# KiCad board smoothiev2-prime-2660.kicad_pcb (continued)
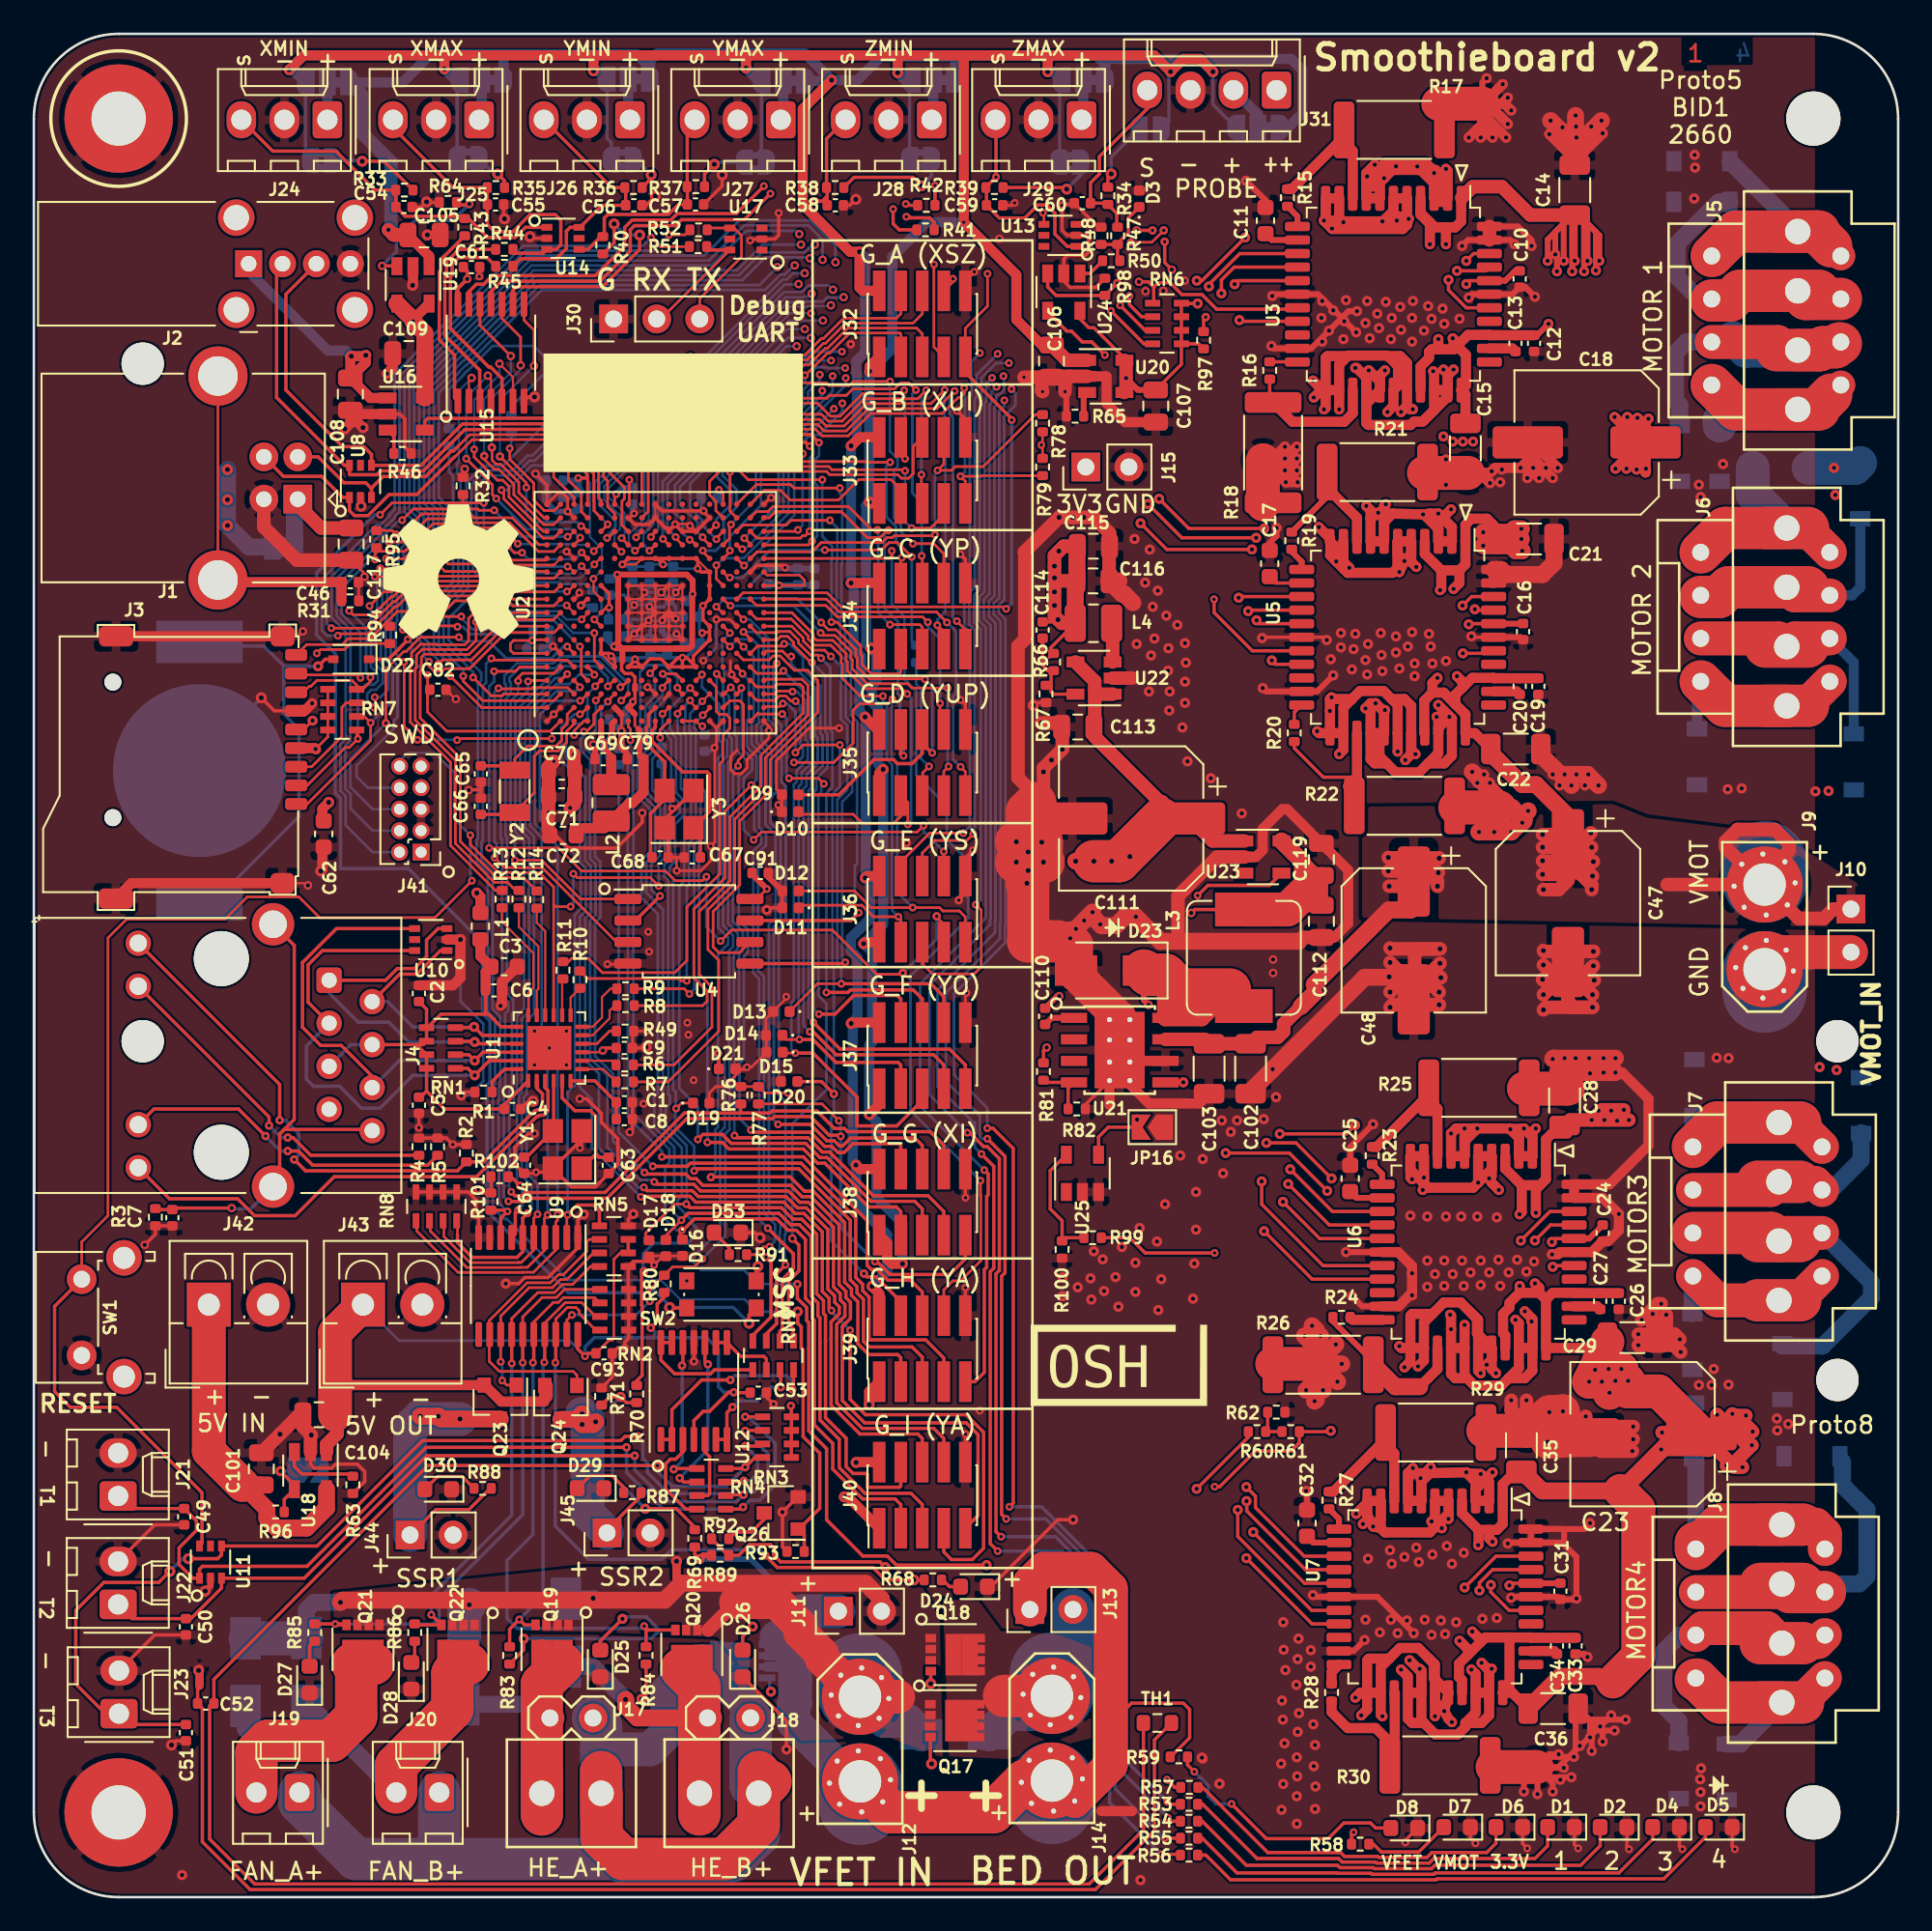
[diagram p0: board, top side]
## Routing (per net, layer and track width the routed paths; a pad name or vN(x,y) marks a point on that pad's centre or on a via; arc(x,y) is an arc through that point) (continued)
  Bottom w0.16: v3(43.41,38.4) 43.72,38.71 43.72,39.34 43.75,39.37 43.75,39.7 43.08,40.37 43.08,54.34 42.73,54.69 42.73,61.62 43.2,62.09 43.2,62.75 42.79,63.16 42.79,65.06 43.25,65.51 43.25,67.57 42.64,68.18 42.64,69.21 42.76,69.34 42.76,73.89 42.4,74.25 41.49,74.25 v3(41.07,73.83)
/PF15: length 42.9
  Top w0.16: U2.R9 v3(41.87,75.43)
  Top w0.2: J38.6 52.42,44.38 51.99,44.81 48.18,44.81 47.72,44.35 47.53,44.35 47.22,44.65 46.79,44.65 45.82,45.62 v3(43.91,45.62)
  Bottom w0.16: v3(41.87,75.43) 42.23,75.43 43.34,74.32 43.34,69.52 43.83,69.04 43.83,65.27 43.46,64.9 43.46,63.43 44.05,62.84 44.05,57.7 43.66,57.3 43.66,45.87 v3(43.91,45.62)
/PG0: length 32.6
  Top w0.16: U2.T8 42.64,74.66 43.88,74.66 43.94,74.72 44.6,74.72 45.11,74.21 45.11,74.04 45.82,73.33 46.27,73.33 v3(46.45,73.14)
  Top w0.2: J37.6 52.42,53.03 51.89,53.56 48.18,53.56 48.03,53.41 v3(46.76,53.41)
  Bottom w0.16: v3(46.76,53.41) 46.76,65.17 47.11,65.52 47.11,68.8 47,68.92 47,72.6 v3(46.45,73.14)
/PG1: length 36.5
  Top w0.16: D13.1 46.23,53.92 v3(47.64,53.92) ; v3(47.03,73.24) 46.66,73.62 45.94,73.62 45.4,74.16 45.4,74.33 44.71,75.03 U2.U8
  Top w0.2: v3(47.64,53.92) 52.93,53.92 53.69,53.16 J37.8
  Bottom w0.16: v3(47.64,53.92) 47.64,54.8 47.4,55.03 47.4,64.79 47.99,65.38 47.99,68.33 47.99,68.34 47.99,69.17 47.62,69.54 47.62,72.66 v3(47.03,73.24)
/PH2: length 41.3
  Top w0.16: U2.N2 39.87,70.18 v3(39.47,69.78)
  Top w0.2: J38.3 51.15,40.48 50.88,40.75 49.26,40.75 46.67,43.33 46.24,43.33 45.4,44.17 41.01,44.17 40.62,44.56 v3(39.74,44.56)
  Bottom w0.16: 39.52,69.73 v3(39.47,69.78) 38.97,69.28 38.97,69.01 39.05,68.93 39.05,65.82 39.63,65.24 39.63,62.4 39.24,62 39.24,60.04 39.25,60.03 39.25,53.98 39.74,53.49 v3(39.74,44.56)
/PH3: length 43.2
  Top w0.16: v3(41.55,66.79) 41.55,67.11 41.87,67.43 41.87,70.41 41.65,70.63 41.07,70.63 U2.P2
  Top w0.2: v3(41.34,44.96) 41.47,44.83 45.68,44.83 46.52,43.99 46.95,43.99 49.53,41.41 52.76,41.41 53.69,40.48 J38.7
  Bottom w0.16: v3(41.34,44.96) 41.34,49.32 41.6,49.59 41.6,55.65 41.83,55.87 41.83,57.02 41.25,57.6 41.25,66.49 v3(41.55,66.79)
/PH4: length 39.1
  Top w0.16: v3(41.12,71.42) 40.73,71.03 U2.P3
  Top w0.2: v3(42.31,45.29) 42.44,45.16 45.81,45.16 46.65,44.32 47.08,44.32 47.45,43.95 47.79,43.95 48.32,44.48 51.05,44.48 51.15,44.38 J38.4
  Bottom w0.16: v3(42.31,45.29) 41.63,45.97 41.63,49.2 41.89,49.47 41.89,55.53 42.12,55.75 42.12,57.14 41.59,57.67 41.59,66.17 42.08,66.67 42.08,67.09 41.47,67.71 41.47,68.5 41.35,68.62 41.35,71.19 v3(41.12,71.42)
/PH7: length 59.3
  Top w0.16: 50.63,79.19 50.63,79.47 v3(50.62,79.48) ; 50.63,79.19 50.47,79.03 U2.U13 ; 50.63,79.19 50.63,79.23 ; J39.8 53.69,35.85 54.22,36.38 54.68,36.38 55.87,37.57 55.87,41.42 55.85,41.44 v3(55.85,42.3)
  Bottom w0.16: v3(55.85,42.3) 51.72,46.43 51.72,54.38 55.13,57.79 55.13,58.98 54.97,59.14 54.97,61.33 53.87,62.43 53.87,64.43 52.06,66.24 52.06,71.2 51.37,71.89 51.37,75.58 50.62,76.33 v3(50.62,79.48)
/PI8: length 63.7
  Top w0.16: U2.E4 v3(33.12,71.48)
  Top w0.2: v3(35.99,41.9) 36.19,41.7 38.86,41.7 39.2,41.36 44.38,41.36 45.05,40.69 45.57,40.69 46.85,39.42 46.85,35.9 47.25,35.49 47.25,35.12 47.52,34.85 47.52,34.44 47.04,33.96 47.04,32.97 47.04,29.04 48.74,27.34 52.16,27.34 52.42,27.08 J40.6
  Bottom w0.16: v3(33.12,71.48) 32.67,71.03 32.67,69.64 32.3,69.27 31.88,69.27 31.41,68.8 31.41,67.23 32.53,66.11 32.53,61.19 32.85,60.87 32.85,58.1 32.53,57.78 32.53,49.42 33.34,48.61 33.34,44.23 35.67,41.9 v3(35.99,41.9)
/PI9: length 62.2
  Top w0.16: U2.E2 33.04,69.8 33.04,69.25 32.6,68.81 v3(32.45,68.81)
  Top w0.2: v3(36.6,42.23) 36.75,42.08 38.94,42.08 39.34,41.69 44.52,41.69 45.19,41.02 45.71,41.02 47.18,39.55 47.18,36.03 47.58,35.63 47.58,35.26 47.85,34.99 47.85,34.3 47.37,33.82 47.37,33.11 47.37,29.18 48.88,27.67 53.1,27.67 53.69,27.08 J40.8
  Bottom w0.16: v3(32.45,68.81) 32.45,68.58 32.26,68.38 32.26,67.7 32.82,67.14 32.82,61.31 33.14,60.99 33.14,57.98 32.82,57.66 32.82,49.54 33.83,48.52 33.83,44.29 35.78,42.34 36.49,42.34 v3(36.6,42.23)
/PI10: length 56.7
  Top w0.16: v3(33.87,70.58) 33.87,70.63 U2.F3
  Top w0.2: J39.7 53.69,31.83 52.62,32.9 49.33,32.9 49.28,32.95 49.28,35.43 48.9,35.8 48.9,36.18 48.5,36.58 48.5,40.1 45.27,43.33 38.74,43.33 38.55,43.15 v3(36.52,43.15)
  Bottom w0.16: v3(36.52,43.15) 34.51,45.15 34.51,65.21 33.43,66.29 33.43,67.49 33.47,67.52 33.47,70.18 v3(33.87,70.58)
/PJ2: length 37.6
  Top w0.16: v3(44.27,73.99) 44.14,73.85 42.69,73.85 U2.T6
  Top w0.2: J37.9 54.96,49.13 54.03,50.06 47.57,50.06 v3(45.99,51.64)
  Bottom w0.16: v3(44.27,73.99) 44.6,73.99 45.38,73.21 45.38,72.52 46.4,71.5 46.4,68.69 46.53,68.56 46.53,66.8 45.88,66.14 45.88,65.5 45.71,65.32 45.71,51.93 v3(45.99,51.64)
/PJ3: length 35.2
  Top w0.16: U2.U6 43.2,73.56 44.16,73.56 44.49,73.24 v3(44.68,73.24)
  Top w0.2: v3(45.78,51.09) 45.98,51.09 47.34,49.73 53.09,49.73 53.69,49.13 J37.7
  Bottom w0.16: v3(45.78,51.09) 45.42,51.46 45.42,65.44 45.59,65.62 45.59,66.26 46.24,66.92 46.24,68.44 46.11,68.57 46.11,71.38 44.68,72.81 v3(44.68,73.24)
/PJ4: length 32
  Top w0.16: v3(45.92,72.89) 45.85,72.89 44.82,73.92 44.82,74.08 44.47,74.43 44.06,74.43 43.86,74.23 U2.U7
  Top w0.2: J37.4 51.15,53.03 50.95,53.23 48.37,53.23 47.27,52.13 v3(46.32,52.13)
  Bottom w0.16: v3(45.92,72.89) 46.7,72.11 46.7,68.8 46.82,68.68 46.82,66.68 46.17,66.02 46.17,65.37 46,65.2 46,52.46 v3(46.32,52.13)
/PJ6: length 20.8
  Top w0.16: v3(45.49,89.85) 45.52,89.85 46.83,91.15 46.95,91.15 48.14,92.34 51.1,92.34 51.15,92.29 J32.3 ; U2.N15 40.24,81 v3(40.25,81)
  Bottom w0.16: v3(45.49,89.85) 45.49,89.52 44.94,88.96 44.94,88.35 43.76,87.17 42.87,87.17 40.33,84.63 40.33,83.82 41.17,82.98 41.17,82.25 40.25,81.33 v3(40.25,81)
/PJ7: length 60.5
  Top w0.16: U2.N14 39.46,80.24 v3(39.46,80.28) ; v3(54.85,62.82) 52.86,62.82 51.15,61.11 J36.4
  In2.Cu w0.16: v3(55.82,91.16) 51.87,91.16 51.55,91.48 48.68,91.48 48.21,91.01 47.91,91.01 v3(47.68,91.24)
  Bottom w0.16: v3(55.82,91.16) 55.33,90.67 55.33,88.68 55.22,88.57 55.22,77.43 54.9,77.11 54.9,75 55.22,74.68 55.22,63.2 v3(54.85,62.82) ; v3(39.46,80.28) 39.15,80.59 39.15,81.17 38.12,82.2 38.12,83.24 42.63,87.75 43.5,87.75 43.92,88.17 43.92,88.95 44.76,89.79 44.76,90.18 45.83,91.24 v3(47.68,91.24)
/PJ8: length 70.4
  Top w0.16: v3(55.58,58.59) 55.89,58.28 55.89,54.91 55.49,54.5 53.02,54.5 52.42,55.11 J36.5 ; v3(39.47,79.49) 39.47,79.43 U2.N13
  In2.Cu w0.16: v3(57.53,90.57) 57.2,90.57 57.06,90.43 51.78,90.43 51.31,90.9 48.95,90.9 48.32,90.27 v3(47.87,90.27)
  Bottom w0.16: v3(55.58,58.59) 55.87,58.88 55.87,74.85 55.48,75.24 55.48,76.87 55.8,77.19 55.8,88.33 55.91,88.44 55.91,89.69 56.79,90.57 v3(57.53,90.57) ; v3(47.87,90.27) 46.86,90.27 46.81,90.32 46.16,90.32 45.93,90.09 45.93,89.53 45.38,88.98 45.38,88.39 43.59,86.6 42.7,86.6 40.63,84.53 40.63,83.92 41.46,83.1 41.46,82.06 40.69,81.29 40.69,80.82 40.77,80.74 40.77,80.03 40.24,79.49 v3(39.47,79.49)
/PJ9: length 24
  Top w0.16: J32.4 51.15,93.47 50.89,93.21 47.78,93.21 46.59,92.02 46.47,92.02 45.48,91.04 44.67,91.04 43.87,90.24 v3(43.87,89.67) ; U2.M14 38.77,80.13 v3(38.7,80.13)
  Bottom w0.16: v3(43.87,89.67) 43.63,89.43 43.63,88.29 43.38,88.04 42.51,88.04 37.83,83.36 37.83,81.7 38.27,81.26 38.27,80.56 v3(38.7,80.13)
/PJ10: length 24.3
  Top w0.16: v3(37.87,80.29) 37.87,80.23 U2.L14 ; J32.5 52.42,92.29 52.08,92.63 48.02,92.63 46.83,91.44 46.71,91.44 45.72,90.46 45.41,90.46 44.18,89.23 v3(43.14,89.23)
  Bottom w0.16: v3(37.87,80.29) 37.39,80.77 37.39,83.43 43.14,89.18 v3(43.14,89.23)
/PJ11: length 25
  Top w0.16: J32.6 52.42,93.47 51.87,92.92 47.9,92.92 46.71,91.73 46.59,91.73 45.6,90.75 45.01,90.75 v3(44.32,90.06) ; U2.K14 v3(37.12,80.18)
  Bottom w0.16: v3(44.32,90.06) 44.09,90.29 43.56,90.29 42.69,89.42 42.69,89.15 37.1,83.55 37.1,80.2 v3(37.12,80.18)
/PK0: length 24.5
  Top w0.16: v3(36.32,79.49) 36.33,79.49 U2.J14 ; v3(37.09,85.05) 41.19,85.05 42.07,84.17 46.77,84.17 46.96,83.98 50.97,83.98 51.19,83.77 51.61,83.77 51.89,84.04 51.89,85.65 J33.6
  Bottom w0.128: 35.97,79.83 35.97,80.48
  Bottom w0.16: 35.97,80.48 35.97,80.48 36.55,81.06 36.55,84.51 v3(37.09,85.05) ; 35.97,79.83 36.31,79.49 v3(36.32,79.49)
/PK1: length 27.1
  Top w0.16: v3(51.4,84.21) 51.34,84.27 47.09,84.27 46.9,84.46 42.19,84.46 40.99,85.66 38.79,85.66 v3(38.56,85.89) 38.47,85.8 38.47,85.73 ; v3(36.41,80.3) 36.41,80.37 U2.J15 ; J33.7 53.69,81.6 52.91,80.82 v3(51.79,80.82)
  Bottom w0.128: v3(38.56,85.89) 36.83,84.15 36.83,80.71 v3(36.41,80.3)
  Bottom w0.16: v3(51.4,84.21) 51.4,81.21 v3(51.79,80.82)
/power/UVLO: length 25.9
  Top w0.2: U25.4 62.82,44.88 63.39,45.45 JP16.2 65.27,45.73 v2(65.1,45.9) ; v2(67.82,48.11) 67.81,48.1 U21.5 ; v3(68.67,59.13) 69.27,59.73 72.89,59.73 U23.4
  In2.Cu w0.2: v2(65.1,45.9) 65.62,45.9 v2(67.82,48.11) 68.37,48.66 68.37,57.03 68.77,57.43 68.77,59.03 v3(68.67,59.13)
/PROBE: length 36.7
  Top w0.16: v3(40.27,78.63) 40.27,77.83 U2.P11
  Top w0.2: U24.4 59.82,93.58 60.95,92.45 61.22,92.45 61.86,91.81 62.42,91.81 v3(63.2,91.04)
  In2.Cu w0.16: 61.13,91.13 61.13,91.11 57.66,87.65 57.64,87.65 ; 61.12,91.13 63.1,91.13 v3(63.2,91.04) ; 57.63,87.65 57.61,87.65 57.6,87.63 57.47,87.63 57.12,87.28 47.79,87.28 v3(47.2,87.87)
  Bottom w0.16: v3(40.27,78.63) 40.69,79.05 41.89,79.05 44.52,81.68 44.52,85.46 45.04,85.99 45.04,86 45.44,86.39 45.45,86.39 45.72,86.67 45.76,86.67 45.82,86.73 46.06,86.73 v3(47.2,87.87)
/QSPI_CS: length 21.5
  Top w0.16: v3(28.38,61.21) 29.96,61.21 32.25,58.92 U4.1 ; v3(28.57,71.8) 28.57,71.99 28.83,72.25 30.69,72.25 U2.B5
  Bottom w0.16: v3(28.38,61.21) 28.38,62.51 28.12,62.77 28.12,70.6 28.57,71.05 v3(28.57,71.8)
/QSPI_IO0: length 38.4
  Top w0.16: U2.R15 41.84,81 44.39,81 44.67,81.28 v3(46.97,81.28)
  Top w0.2: v3(47.88,55.19) 47.8,55.11 U4.5
  Bottom w0.16: v3(46.97,81.28) 47.4,80.85 47.4,78.85 47.36,78.81 47.36,75.63 47.58,75.41 47.58,73.35 47.91,73.01 47.91,69.66 48.28,69.29 48.28,68.46 48.28,68.45 48.28,65.26 47.69,64.67 47.69,55.37 v3(47.88,55.19)
/QSPI_IO1: length 18.5
  Top w0.16: v3(37.11,72.22) 37.88,72.22 U2.L4
  Top w0.2: U4.2 35.49,57.66 v3(36.95,59.11)
  Bottom w0.16: v3(37.11,72.22) 37.53,71.8 37.53,70.97 36.65,70.1 36.65,68.81 36.51,68.67 36.51,67.64 36.21,67.34 36.21,65.2 36.94,64.47 36.94,61.48 36.43,60.97 36.43,59.48 36.8,59.11 v3(36.95,59.11)
/QSPI_IO2: length 24.8
  Top w0.16: v3(27.41,71.36) 27.44,71.33 29.37,71.33 29.44,71.4 31.5,71.4 U2.C3 ; v3(27.19,61.36) 27.77,60.78 28.31,60.78 28.32,60.77 30,60.77 34.38,56.39 35.05,56.39
  Bottom w0.16: v3(27.19,61.36) 27.3,61.47 27.3,62.19 27.18,62.31 27.18,71.13 v3(27.41,71.36)
/QSPI_IO3: length 38.9
  Top w0.16: U2.R17 42.63,83.39 44.65,83.39 44.85,83.19 v3(47.55,83.19)
  Top w0.2: v3(48.67,58.11) 48.21,57.66 U4.7
  Bottom w0.16: v3(48.67,58.11) 48.44,58.34 48.44,60.87 48.57,61 48.57,68.57 48.57,68.58 48.57,69.41 48.2,69.78 48.2,73.13 47.87,73.47 47.87,75.53 47.65,75.75 47.65,78.69 47.69,78.73 47.69,82.73 47.55,82.86 v3(47.55,83.19)
/QSPI_SCK: length 26.5
  Top w0.16: U2.R6 41.85,73.05 43.39,73.05 43.62,73.27 44.03,73.27 44.87,72.43 45.65,72.43 46.26,71.82 46.26,69.95 43.45,67.14 43.45,65.33 41.65,63.53 41.65,59.76 40.08,58.19 40.08,56.1 40.42,55.76 41.63,55.76 42.25,56.39
/SD_CK: length 27.4
  Top w0.128: v3(31.49,78.55) 31.55,78.55 U2.C12 ; J3.5 16.08,68.93
  Top w0.16: J3.5 15.92,68.93 v2(16.45,69.45) ; v3(27.39,79.51) 27.39,79.6 27.01,79.98 26.59,79.98 26.46,79.85 24.49,79.85 24.33,80.01 23.3,80.01 22.26,78.97 22.21,78.97 21.69,78.45 v3(20.44,78.45)
  In2.Cu w0.16: v2(16.45,69.45) 17.83,70.84 v3(20.12,70.84)
  Bottom w0.16: v3(31.49,78.55) 28.34,78.55 v3(27.39,79.51) ; v3(20.44,78.45) 20.55,78.33 20.55,75.73 20.47,75.65 20.47,72.88 20.88,72.47 20.88,71.27 20.44,70.84 v3(20.12,70.84)
/SD_CMD: length 30.4
  Top w0.128: v3(26.8,79.54) 24.41,79.54 24.21,79.74 23.41,79.74 22.38,78.7 22.33,78.7 21.58,77.95 v3(20.11,77.95) ; U2.D12 v3(32.32,78.58)
  Top w0.16: J3.3 16.39,66.73 18.17,68.52 18.17,70.24 18.44,70.5 RN7.7
  Top w0.2: v3(20.07,70.23) 19.8,70.5 RN7.7
  Bottom w0.128: v3(32.32,78.58) 31.87,78.13 31.29,78.13 31.27,78.15 27.86,78.15 26.8,79.21 v3(26.8,79.54)
  Bottom w0.16: v3(20.11,77.95) 20.25,77.82 20.25,75.97 20.18,75.9 20.18,72.75 20.59,72.35 20.59,71.68 20.18,71.28 19.9,71.28 19.68,71.05 19.68,70.62 v3(20.07,70.23)
/SD_D0: length 27.4
  Top w0.128: U2.E13 33.42,79.03 v3(33.07,78.68)
  Top w0.16: v3(18.6,75.93) 18.83,75.7 20.01,75.7 21.08,76.77 21.2,76.77 22.56,78.14 22.61,78.14 23.65,79.17 23.98,79.17 24.45,78.71 v3(26.36,78.71) ; v3(19.86,72.01) 19.86,71.77 19.39,71.31 RN7.8 ; J3.7 15.9,71.13 16.25,71.48 16.34,71.48 16.7,71.83 18.77,71.83 19.27,71.33
  Bottom w0.128: v3(26.36,78.71) 27.17,77.89 31.17,77.89 31.18,77.87 32.26,77.87 v3(33.07,78.68)
  Bottom w0.16: v3(18.6,75.93) 19.6,74.94 19.6,72.27 v3(19.86,72.01)
/SD_D1: length 27.6
  Top w0.128: U2.E14 33.41,79.83 v3(33.04,79.46)
  Top w0.16: v3(19.27,71.98) 19.09,72.16 15.56,72.16 J3.8 ; v3(20.13,78.97) 20.13,79.3 20.29,79.45 21.88,79.45 21.97,79.55 22.02,79.55 23.55,81.08 25.42,81.08 25.65,80.85 27.61,80.85 v3(28.55,79.9)
  Bottom w0.128: v3(33.04,79.46) 32.67,79.83 31.92,79.83 31.87,79.88
  Bottom w0.16: v3(28.55,79.9) 28.58,79.87 31.83,79.87 31.87,79.83 ; v3(19.27,71.98) 19.27,74.65 18.15,75.76 18.15,77.27 19.85,78.97 v3(20.13,78.97)
/SD_D2: length 29.7
  Top w0.16: 19.3,69.64 19.3,69.71 ; v3(20.79,79.01) 21.85,79.01 22.09,79.26 22.14,79.26 23.18,80.3 24.45,80.3 24.61,80.14 26.34,80.14 26.47,80.27 27.13,80.27 27.14,80.26 27.28,80.26 27.83,79.71 27.83,79.32 28.21,78.93 30.17,78.93 U2.A13 ; 19.17,69.58 RN7.6 19.07,69.73 19.47,69.73 v3(19.87,69.33) 19.87,68.28 16.13,64.53 J3.1
  Bottom w0.16: v3(19.87,69.33) 21.17,70.63 21.17,72.59 20.76,73 20.76,75.51 20.84,75.6 20.84,78.2 20.88,78.24 20.88,78.92 v3(20.79,79.01)
/SD_D3: length 27.8
  Top w0.128: U2.B13 30.71,78.67
  Top w0.16: v3(19.81,76.23) 20.64,77.06 21.08,77.06 22.44,78.43 22.49,78.43 23.53,79.46 24.1,79.46 24.35,79.22 26.5,79.22 27.07,78.64 30.68,78.64 30.71,78.67 ; v3(19.12,68.38) 19.12,68.83 RN7.5 19.05,68.31 18.61,67.87 18.36,67.87 16.13,65.63 J3.2
  Bottom w0.16: v3(19.81,76.23) 19.89,76.15 19.89,72.63 20.3,72.23 20.3,71.81 20.06,71.57 19.56,71.57 19.12,71.13 v3(19.12,68.38)
/SG_A: length 99.1
  Top w0.16: v3(23.3,72.94) 23.3,72.69 23.62,72.37 24.08,72.37 24.23,72.53 25.71,72.53 27.84,74.66 30.7,74.66 U2.B8
  Top w0.2: v2(83.47,95.48) 83.47,94.88 84.52,93.83 U3.38
  In2.Cu w0.2: v4(45.16,98.18) 45.66,98.68 49.39,98.68 49.99,98.09 52.59,98.09 53.87,99.36 56.31,99.36 57.4,98.27 62.25,98.27 63.85,99.87 70.88,99.87 75.27,95.48 v2(83.47,95.48)
  Bottom w0.16: v4(45.16,98.18) 44.97,98.37 42.04,98.37 40,96.33 29.36,96.33 24.92,91.89 24.88,91.89 23.63,90.63 23.63,90.6 22.44,89.42 22.44,82.03 22.99,81.48 22.99,80.11 22.1,79.22 22.1,77.68 22,77.58 22,75.55 22.22,75.33 22.22,74.72 23.02,73.92 23.02,73.23 v3(23.3,72.94)
/SG_B: length 115.8
  Top w0.16: U2.A8 27.8,75.03 25.81,73.04 24.11,73.04 v3(23.88,72.81)
  Top w0.2: U5.38 85.98,73.43 v2(84.32,73.43)
  In2.Cu w0.2: v2(84.32,73.43) 82.27,75.48 75.46,75.48 71.91,79.03 71.64,79.03 71.34,79.33 71.34,80.26 71.9,80.82 71.9,81.25 72.37,81.71 72.37,96.3 69.13,99.54 63.99,99.54 61.84,97.4 56.13,97.4 55.78,97.75 49.87,97.75 49.26,98.35 46.06,98.35 v4(45.26,97.56)
  Bottom w0.16: v4(45.26,97.56) 43,97.56 41.48,96.04 29.48,96.04 25.04,91.6 25,91.6 23.92,90.51 23.92,90.48 22.73,89.3 22.73,82.15 23.28,81.6 23.28,79.99 22.39,79.1 22.39,77.56 22.29,77.46 22.29,76.4 22.51,76.19 22.51,74.84 23.31,74.04 23.31,73.58 23.88,73.01 v3(23.88,72.81)
/SG_C: length 152.4
  Top w0.16: v3(22.92,76.43) 23.24,76.43 23.62,76.82 27.68,76.82 28.27,76.23 30.67,76.23 U2.B10
  Top w0.2: v2(89.62,37.21) 89.69,37.28 U6.38
  In2.Cu w0.2: v4(46.08,97.56) 46.54,98.02 49.12,98.02 49.75,97.4 55.66,97.4 55.99,97.07 61.98,97.07 64.12,99.21 68.99,99.21 72.04,96.16 72.04,81.85 71.57,81.38 71.57,80.95 71.01,80.39 71.01,79.2 71.5,78.7 71.77,78.7 74.09,76.39 74.09,68.37 78.49,63.97 78.49,41.91 80.92,39.48 87.2,39.48 87.34,39.62 89.51,39.62 90.77,38.36 90.77,37.94 90.04,37.21 v2(89.62,37.21)
  Bottom w0.16: v3(22.92,76.43) 22.58,76.76 22.58,77.32 22.68,77.41 22.68,78.98 23.57,79.87 23.57,81.72 23.02,82.27 23.02,89.18 24.21,90.36 24.21,90.39 25.12,91.31 25.16,91.31 29.6,95.75 41.6,95.75 42.95,97.1 45.48,97.1 45.94,97.56 v4(46.08,97.56)
/SG_D: length 170.3
  Top w0.16: v3(23.02,77.11) 23.03,77.11 27.8,77.11 28.28,76.63 U2.A10
  Top w0.2: v2(85.97,18.43) 85.97,18.01 87.05,16.93 U7.38
  In2.Cu w0.2: v2(85.97,18.43) 85.42,18.98 77.37,18.98 73.12,23.23 73.12,39.24 75.92,42.04 75.92,42.56 77.22,43.86 77.22,63.98 73.76,67.44 73.76,76.25 71.64,78.37 71.37,78.37 70.68,79.06 70.68,80.53 71.24,81.09 71.24,81.52 71.71,81.99 71.71,95.98 68.81,98.88 64.28,98.88 62.14,96.74 55.85,96.74 55.53,97.07 49.61,97.07 48.98,97.69 46.95,97.69 46.4,97.14 46.33,97.14 45.94,96.76 v4(45.79,96.76)
  Bottom w0.16: v4(45.79,96.76) 45.75,96.8 43.13,96.8 41.8,95.46 29.72,95.46 25.28,91.02 25.24,91.02 24.5,90.27 24.5,90.24 23.31,89.06 23.31,82.39 23.86,81.85 23.86,79.75 22.97,78.86 22.97,77.17 v3(23.02,77.11)
/sheet622B088E/COIL_A1: length 47.3
  Top w0.6: U6.7 84.42,44.88 84.92,45.38 ; U6.7 v2(84.42,45.38) ; U6.7 84.42,44.63 v2(85.17,45.38) ; U6.7 U6.8 v2(83.62,45.08) 83.92,45.38 v2(84.42,45.38) ; 84.92,45.38 87.12,45.38 ; 84.92,45.38 v2(85.17,45.38) ; 87.12,45.38 87.62,44.88 U6.3 ; 87.12,45.38 v2(87.12,45.33) ; U6.3 87.62,44.83 v2(87.12,45.33) ; U6.3 U6.2 ; v2(85.17,45.38) v2(84.42,45.38) ; U6.2 88.42,45.18 v2(88.62,45.38) ; U6.2 88.42,44.88 v2(87.92,45.38) v2(87.12,45.33)
  Top w2: J7.4 104.07,45.73 J7.4
  Top w2.5: J7.4 99.33,45.73 J7.4
  In2.Cu w2: J7.4 90.71,44.29 v2(88.62,45.38) 89.47,45.53 83.82,45.53
  Bottom w1: D39.1 97.89,46.06 J7.4
/sheet622B088E/COIL_A2: length 47.5
  Top w0.6: U6.10 82.02,42.13 ; U6.10 U6.11 ; U6.10 v2(82.02,42.48) 82.02,41.82 v2(81.95,41.75) ; 82.02,42.13 82.27,41.88 84.92,41.88 v2(85.22,42.18) ; 82.02,42.13 81.22,42.93 U6.11 ; v2(85.22,42.18) 86.02,42.98 U6.5 ; v2(85.22,42.18) U6.6 U6.5 ; U6.5 86.02,42.58 v2(85.87,42.43) 86.02,42.17 v2(86.44,41.75) ; U6.11 81.22,42.48 v2(81.32,42.38)
  Top w2: J7.3 105.1,42.16 104.63,42.16 104.56,42.23 J7.3 102.49,41.75 J7.3
  In2.Cu w2: v2(81.32,42.38) v2(81.95,41.75) v2(86.44,41.75) 86.74,42.05 97.59,42.05 J7.3
  Bottom w1: J7.3 106.05,41.75 107.82,43.52 107.82,45.13
/sheet622B088E/COIL_B1: length 62.2
  Top w0.6: U6.31 87.62,31.23 87.02,30.63 ; U6.31 87.62,33.88 v2(87.42,34.08) ; U6.31 U6.32 ; 87.02,30.63 87.97,30.63 88.42,31.08 U6.32 ; 87.02,30.63 86.59,30.2 85,30.2 84.57,30.63 ; U6.27 84.42,30.78 84.57,30.63 ; U6.27 U6.26 ; U6.27 v2(84.42,33.78) ; 84.57,30.63 83.87,30.63 83.62,30.88 U6.26 ; U6.32 88.42,34.13 v2(87.97,34.58) ; U6.32 88.42,33.93 v2(88.37,33.98) ; U6.26 v2(83.62,33.53) 83.62,34.33 v2(83.57,34.38)
  Top w2: J7.2 103.45,39.21 J7.2
  Top w2.5: J7.2 102.49,39.21 J7.2
  In2.Cu w2: 83.72,34.08 v2(84.42,33.78) v2(83.57,34.38) v2(87.42,34.08) v2(87.97,34.58) 89.12,34.08 v2(88.37,33.98) 93.9,38.9 97.58,38.9 J7.2
  Bottom w1: J7.2 108.42,36.3 108.42,35.4 105.55,32.53 103.17,32.53
/sheet622B088E/COIL_B2: length 57.4
  Top w0.6: U6.24 82.02,33.93 82.52,34.43 ; U6.24 U6.23 ; U6.24 82.02,31.68 v2(81.67,31.33) ; 82.52,34.43 81.32,34.43 81.22,34.33 U6.23 ; 82.52,34.43 83.2,35.11 84.19,35.11 84.87,34.43 ; U6.28 85.22,34.08 84.87,34.43 ; U6.28 85.22,31.08 v2(85.37,30.93) ; U6.28 U6.29 ; 84.87,34.43 85.15,34.15 85.15,33.29 U6.29 ; U6.23 81.22,31.63 v2(80.87,31.28) ; U6.23 80.68,32.42 v2(80.57,32.53) ; v2(86.27,30.93) 86.02,31.18 U6.29 ; v2(85.72,31.43) 86.02,31.73 U6.29
  Top w2: J7.1 99.33,35.23 J7.1 104.07,35.23 J7.1
  In2.Cu w2: J7.1 95.11,36.67 90.02,31.58 v2(86.27,30.93) v2(85.37,30.93) v2(85.72,31.43) 85.37,31.08 v2(80.87,31.28) 81.22,31.08 v2(81.67,31.33) v2(80.57,32.53) 81.22,33.78
  Bottom w1: J7.1 97.86,36.64 D36.1
/sheet622F7158/COIL_A1: length 61.9
  Top w0.6: 82.37,25.03 81.37,25.03 81.07,24.73 U7.8 ; 82.37,25.03 81.87,24.53 U7.7 ; 82.37,25.03 v2(84.52,25.08) ; U7.8 81.07,25.03 v2(81.37,25.33) ; U7.8 U7.7 ; 84.57,25.03 85.07,24.53 ; 84.57,25.03 v2(85.37,24.98) 85.87,24.48 U7.2 U7.3 ; 84.57,25.03 v2(84.52,25.08) ; 85.07,24.53 U7.3 ; 85.07,24.53 v2(84.52,25.08) ; U7.7 81.87,24.68 v2(81.82,24.73) v2(82.42,25.38) ; U7.3 85.07,24.08 v2(86.07,25.08)
  Top w2: J8.4 105.68,21.44 105.13,21.99 J8.4
  Top w2.5: 99.5,21.99 98.43,20.92 98.06,20.92 ; 99.5,21.99 J8.4 ; 99.5,21.99 J8.4
  In1.Cu w1: J8.4 102.63,21.99
  In1.Cu w2: J8.4 98.06,20.34
  In2.Cu w2: 81.12,25.13 v2(81.37,25.33) v2(82.42,25.38) v2(86.07,25.08) 91.12,25.13 95.7,20.55 J8.4 99.5,21.99 J8.4
  Bottom w1: D43.1 98.06,25.77 J8.4
/sheet622F7158/COIL_A2: length 61.6
  Top w0.6: U7.11 78.67,22.58 v2(79.02,21.88) ; U7.11 78.67,22.28 v2(78.42,22.03) ; U7.11 78.67,23.28 v2(78.02,22.63) ; U7.11 U7.10 ; 82.67,21.83 83.47,22.63 v2(83.47,22.33) U7.5 U7.6 82.67,22.38 v2(82.47,22.18) ; 82.67,21.83 82.37,21.53 79.72,21.53 79.47,21.78 ; 82.67,21.83 v2(82.47,22.18) ; U7.10 79.47,21.78 ; U7.10 79.47,22.33 v2(79.02,21.88) ; 79.47,21.78 v2(79.02,21.88) ; v2(82.47,22.18) 82.67,22.18 v2(83.07,21.78)
  Top w2: J8.3 102.66,18.01 J8.3
  Top w2.5: 102.94,18.29 J8.3 103.62,18.01 J8.3
  In2.Cu w2: J8.3 93.64,18.01 89.12,22.53 79.67,22.53 v2(79.02,21.88) ; v2(78.42,22.03) v2(78.02,22.63) 78.97,22.53
  Bottom w1: J8.3 107.71,18.49 108.16,18.94 108.16,22.88 106.72,24.32 106.72,25.71
/sheet622F7158/COIL_B1: length 62.3
  Top w0.6: 84.47,10.28 85.42,10.28 85.87,10.73 U7.32 ; 84.47,10.28 85.07,10.88 U7.31 ; 84.47,10.28 84.47,10.05 84.02,9.6 82.7,9.6 82.02,10.28 ; U7.31 U7.32 ; U7.31 85.07,13.18 v2(84.82,13.43) ; U7.32 85.87,13.38 v2(85.42,13.83) ; U7.32 85.87,13.33 v2(86.02,13.48) ; 82.02,10.28 81.32,10.28 81.07,10.53 U7.26 ; 82.02,10.28 81.87,10.43 U7.27 ; U7.27 81.87,13.28 v2(81.17,13.98) ; U7.27 81.87,13.38 v2(81.77,13.48) ; U7.27 U7.26 ; U7.26 81.07,13.03 v2(80.67,13.43)
  Top w2: J8.2 105.27,15.06 104.8,15.06 104.73,14.99 J8.2 102.25,15.88 98.47,15.88 J8.2
  In2.Cu w2: 81.17,13.03 v2(81.77,13.48) v2(80.67,13.43) 85.02,13.43 v2(85.42,13.83) v2(84.82,13.43) v2(86.02,13.48) 88.15,15.61 97.92,15.61 J8.2
  Bottom w1: D41.1 97.06,10.39 96.17,11.28 96.17,14.52 97.12,15.47 J8.2
/sheet622F7158/COIL_B2: length 65.7
  Top w0.6: U7.23 78.67,13.98 78.77,14.08 79.97,14.08 ; U7.23 78.67,11.08 v2(78.32,10.73) ; U7.23 U7.24 ; U7.23 78.26,12.07 v2(77.97,11.78) ; 82.32,14.08 82.67,13.73 U7.28 ; 82.32,14.08 81.69,14.71 80.6,14.71 79.97,14.08 ; 82.32,14.08 82.6,13.8 82.6,12.94 U7.29 v2(83.22,10.98) ; U7.24 79.47,13.58 79.97,14.08 ; U7.24 79.47,10.78 v2(79.57,10.68) ; U7.28 82.67,11.53 v2(83.22,10.98) ; U7.28 v2(82.67,10.68) ; v2(83.22,10.98) 83.47,10.53 v2(83.67,10.33)
  Top w2: J8.1 104.24,11.49 J8.1
  Top w2.5: J8.1 99.5,11.49 98.15,12.84 98.06,12.84
  In2.Cu w2: J8.1 99.5,11.49 J8.1 92.72,12.93 90.27,10.48 v2(83.67,10.33) v2(82.67,10.68) v2(78.32,10.73) 78.87,10.48 v2(79.57,10.68) 78.32,11.03 v2(77.97,11.78) 78.32,11.33
  Bottom w1: J8.1 100.69,9.04 D40.1
/sheet62266892/COIL_A1: length 55.1
  Top w0.6: U5.7 79.67,81.18 80.17,81.68 ; U5.7 79.67,82.13 v2(79.77,82.23) ; U5.7 79.67,81.38 v2(79.32,81.73) ; U5.7 U5.8 78.87,81.38 ; 80.17,81.68 79.17,81.68 v2(79.32,81.73) ; 80.17,81.68 v2(81.97,81.63) ; 82.37,81.68 82.87,81.18 ; 82.37,81.68 v2(81.97,81.63) ; 82.37,81.68 v2(82.87,81.68) 83.67,80.88 U5.2 U5.3 ; 82.87,81.18 v2(83.62,81.93) ; 82.87,81.18 U5.3 ; 78.87,81.38 v2(79.32,81.73) ; 78.87,81.38 78.87,81.88 v2(78.62,82.13) ; v2(81.97,81.63) 82.02,81.63 82.87,80.78 U5.3
  Top w2: J6.4 104.53,80.83 J6.4
  Top w2.5: J6.4 99.79,80.83 J6.4
  In2.Cu w2: v2(83.62,81.93) 84.65,81.83 84.83,82.01 86.88,82.01 87.08,82.21 88.46,82.21 88.79,81.88 95.86,81.88 ; 78.37,81.83 v2(78.62,82.13) v2(79.77,82.23) 82.32,82.23 v2(82.87,81.68)
  In2.Cu w2.5: J6.4 95.86,81.88
  Bottom w2: D47.1 101.42,82.84 J6.4
/sheet62266892/COIL_A2: length 65.9
  Top w0.6: 77.27,78.43 U5.10 77.27,78.83 v2(77.62,78.48) ; 77.27,78.43 77.52,78.18 80.17,78.18 80.47,78.48 ; 77.27,78.43 76.47,79.23 ; 80.47,78.48 U5.6 ; 80.47,78.48 v2(80.57,78.23) ; U5.6 80.47,78.33 v2(80.57,78.23) ; U5.6 U5.5 ; U5.6 80.47,79.28 v2(80.87,78.88) ; U5.5 81.27,79.28 v2(80.87,78.88) ; U5.5 81.27,78.83 v2(81.57,78.53) ; v2(80.57,78.23) v2(80.87,78.88) ; v2(76.84,78.86) 76.84,79.67 U5.11 76.47,80.23 v2(75.82,80.88)
  Top w2: J6.3 98.51,77.01 99.34,77.01 99.66,77.33 J6.3 103.91,76.85 J6.3
  Top w2.5: 98.35,76.76 99.44,76.76 100.01,77.33 J6.3
  In2.Cu w2: J6.3 86.23,76.85 84.25,78.83 81.87,78.83 v2(81.57,78.53) v2(76.84,78.86) v2(77.62,78.48) 76.84,79.86 v2(75.82,80.88) 76.22,80.88
  Bottom w0.6: J6.3 107.29,76.85 107.76,77.32 D46.1
/sheet62266892/COIL_B1: length 59.2
  Top w0.6: U5.31 82.87,67.53 82.27,66.93 ; U5.31 82.87,69.03 v2(83.52,69.68) ; U5.31 82.87,69.58 v2(82.77,69.68) ; 82.27,66.93 83.22,66.93 83.67,67.38 U5.32 83.67,69.58 v2(82.87,70.38) ; 82.27,66.93 81.74,66.4 80.35,66.4 79.82,66.93 ; U5.26 78.87,67.18 79.12,66.93 79.82,66.93 ; U5.26 78.87,70.18 v2(79.17,70.48) ; U5.26 U5.27 ; 79.82,66.93 79.39,67.36 79.39,68.44 U5.27 ; v2(78.57,70.18) 78.87,70.48 v2(79.17,70.48) ; v2(79.72,70.08) 79.67,70.03 U5.27 ; v2(79.17,70.48) 79.67,69.98 U5.27
  Top w2: J6.2 102.95,74.31 J6.2 103.91,74.31 J6.2
  In2.Cu w2: v2(78.57,70.18) 91.97,70.18 92.27,70.48
  In2.Cu w2.5: 92.27,70.48 96.1,74.31 J6.2
  Bottom w0.6: J6.2 107.38,72.9 D45.1
